# Altium PCB 越野组一体板.PcbDoc (continued)
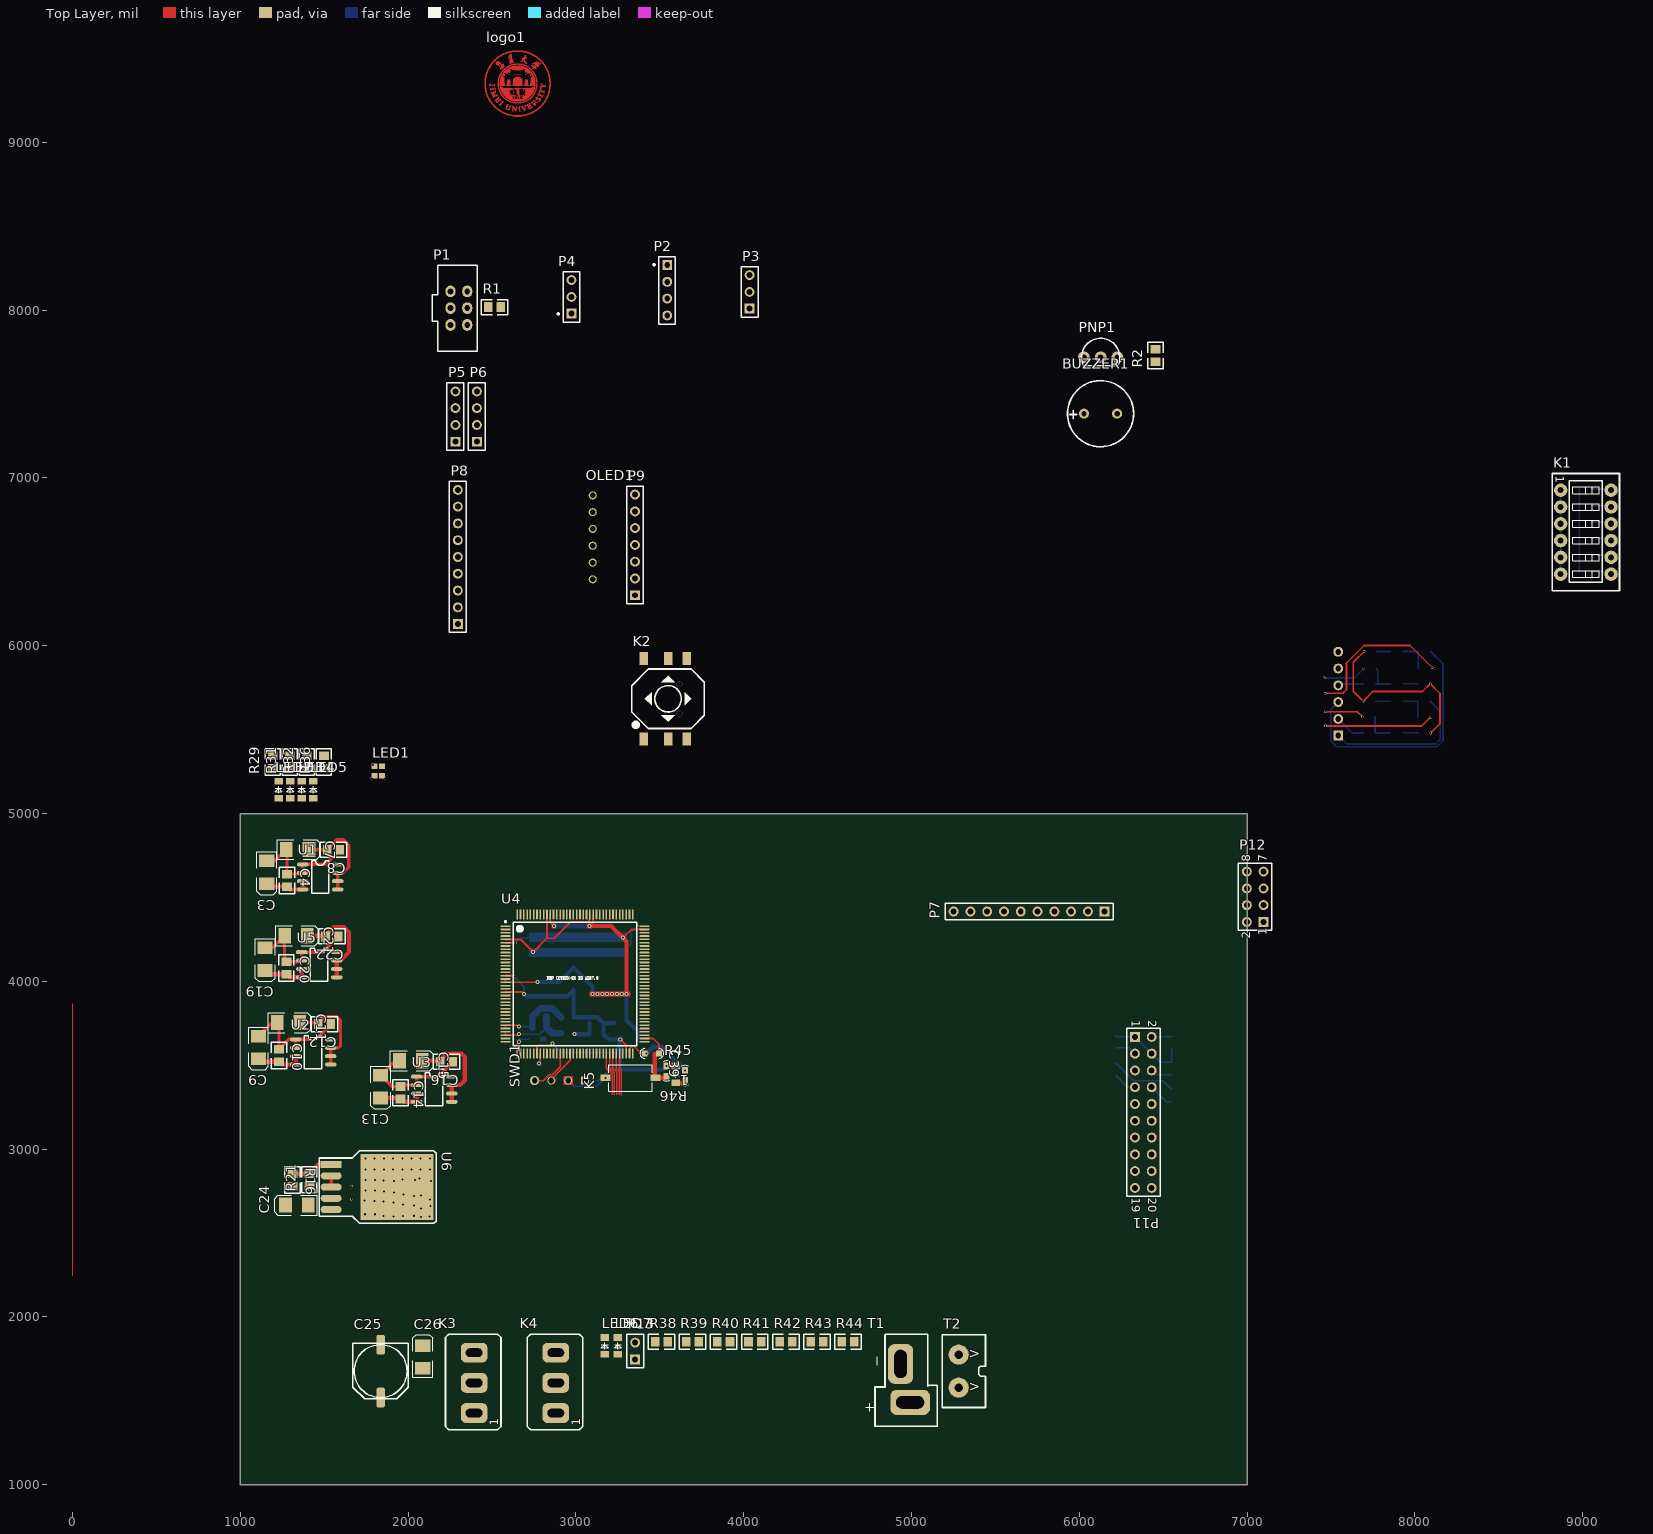
[diagram p0: Top Layer view]
## Footprints (in the part's own frame and the unit in brackets; to place one, negate y for a bottom-side part, rotate by r counter-clockwise, add the part's x,y. Pads: shape width x height; smd on the part's side, far side on the other; paste and mask are expansions set on the pad) (continued)
  Top Layer region: 114.8,-79.9 116.8,-79.9 116.8,-80.9 118.8,-80.9 118.8,-81.9 120.8,-81.9 120.8,-83.9 112.8,-83.9 112.8,-84.9 111.8,-84.9 111.8,-85.9 110.8,-85.9 110.8,-86.9 109.8,-86.9 109.8,-89.9 110.8,-89.9 110.8,-90.9 111.8,-90.9 111.8,-91.9 116.8,-91.9 116.8,-90.9 118.8,-90.9 118.8,-89.9 120.8,-89.9 120.8,-88.9 123.8,-88.9 123.8,-87.9 131.8,-87.9 131.8,-88.9 132.8,-88.9 132.8,-89.9 133.8,-89.9 133.8,-90.9 134.8,-90.9 134.8,-91.9 135.8,-91.9 135.8,-99.9 134.8,-99.9 134.8,-100.9 133.8,-100.9 133.8,-102.9 132.8,-102.9 132.8,-103.9 131.8,-103.9 131.8,-104.9 129.8,-104.9 129.8,-107.9 127.8,-107.9 127.8,-106.9 125.8,-106.9 125.8,-105.9 123.8,-105.9 123.8,-104.9 120.8,-104.9 120.8,-102.9 128.8,-102.9 128.8,-101.9 130.8,-101.9 130.8,-100.9 131.8,-100.9 131.8,-99.9 132.8,-99.9 132.8,-95.9 131.8,-95.9 131.8,-93.9 128.8,-93.9 128.8,-92.9 126.8,-92.9 126.8,-93.9 123.8,-93.9 123.8,-94.9 121.8,-94.9 121.8,-95.9 119.8,-95.9 119.8,-96.9 115.8,-96.9 115.8,-97.9 113.8,-97.9 113.8,-96.9 110.8,-96.9 110.8,-95.9 109.8,-95.9 109.8,-94.9 108.8,-94.9 108.8,-93.9 107.8,-93.9 107.8,-91.9 106.8,-91.9 106.8,-87.9 107.8,-87.9 107.8,-85.9 108.8,-85.9 108.8,-83.9 109.8,-83.9 109.8,-82.9 110.8,-82.9 110.8,-81.9 112.8,-81.9 112.8,-78.9 114.8,-78.9
  Top Layer region: 138.8,-0.9 139.8,-0.9 139.8,-3.9 140.8,-3.9 140.8,-4.9 142.8,-4.9 142.8,-5.9 143.8,-5.9 143.8,-6.9 144.8,-6.9 144.8,-7.9 145.8,-7.9 145.8,-8.9 147.8,-8.9 147.8,-9.9 148.8,-9.9 148.8,-10.9 149.8,-10.9 149.8,-11.9 150.8,-11.9 150.8,-12.9 152.8,-12.9 152.8,-13.9 160.8,-13.9 160.8,-14.9 162.8,-14.9 162.8,-13.9 163.8,-13.9 163.8,-10.9 165.8,-10.9 165.8,-15.9 164.8,-15.9 164.8,-23.9 162.8,-23.9 162.8,-20.9 161.8,-20.9 161.8,-19.9 156.8,-19.9 156.8,-18.9 151.8,-18.9 151.8,-19.9 149.8,-19.9 149.8,-20.9 147.8,-20.9 147.8,-21.9 145.8,-21.9 145.8,-22.9 143.8,-22.9 143.8,-23.9 142.8,-23.9 142.8,-24.9 140.8,-24.9 140.8,-25.9 138.8,-25.9 138.8,-26.9 137.8,-26.9 137.8,-27.9 136.8,-27.9 136.8,-29.9 134.8,-29.9 134.8,-21.9 135.8,-21.9 135.8,-16.9 137.8,-16.9 137.8,-19.9 139.8,-19.9 139.8,-18.9 141.8,-18.9 141.8,-17.9 143.8,-17.9 143.8,-16.9 145.8,-16.9 145.8,-15.9 147.8,-15.9 147.8,-14.9 148.8,-14.9 148.8,-13.9 147.8,-13.9 147.8,-12.9 146.8,-12.9 146.8,-11.9 144.8,-11.9 144.8,-10.9 143.8,-10.9 143.8,-9.9 142.8,-9.9 142.8,-8.9 140.8,-8.9 140.8,-7.9 138.8,-7.9 138.8,-9.9 136.8,-9.9 136.8,-3.9 137.8,-3.9 137.8,0.1 138.8,0.1
  Top Layer region: -65.2,-124.9 -63.2,-124.9 -63.2,-125.9 -60.2,-125.9 -60.2,-126.9 -58.2,-126.9 -58.2,-127.9 -55.2,-127.9 -55.2,-128.9 -54.2,-128.9 -54.2,-130.9 -56.2,-130.9 -56.2,-129.9 -58.2,-129.9 -58.2,-130.9 -59.2,-130.9 -59.2,-132.9 -60.2,-132.9 -60.2,-135.9 -61.2,-135.9 -61.2,-138.9 -62.2,-138.9 -62.2,-140.9 -63.2,-140.9 -63.2,-143.9 -64.2,-143.9 -64.2,-146.9 -65.2,-146.9 -65.2,-151.9 -64.2,-151.9 -64.2,-152.9 -63.2,-152.9 -63.2,-153.9 -62.2,-153.9 -62.2,-154.9 -60.2,-154.9 -60.2,-155.9 -54.2,-155.9 -54.2,-154.9 -53.2,-154.9 -53.2,-153.9 -52.2,-153.9 -52.2,-152.9 -51.2,-152.9 -51.2,-151.9 -50.2,-151.9 -50.2,-149.9 -49.2,-149.9 -49.2,-146.9 -48.2,-146.9 -48.2,-143.9 -47.2,-143.9 -47.2,-141.9 -46.2,-141.9 -46.2,-138.9 -45.2,-138.9 -45.2,-134.9 -46.2,-134.9 -46.2,-133.9 -47.2,-133.9 -47.2,-131.9 -45.2,-131.9 -45.2,-132.9 -42.2,-132.9 -42.2,-133.9 -40.2,-133.9 -40.2,-134.9 -37.2,-134.9 -37.2,-136.9 -41.2,-136.9 -41.2,-137.9 -42.2,-137.9 -42.2,-139.9 -43.2,-139.9 -43.2,-141.9 -44.2,-141.9 -44.2,-144.9 -45.2,-144.9 -45.2,-147.9 -46.2,-147.9 -46.2,-149.9 -47.2,-149.9 -47.2,-151.9 -48.2,-151.9 -48.2,-153.9 -49.2,-153.9 -49.2,-155.9 -51.2,-155.9 -51.2,-156.9 -52.2,-156.9 -52.2,-157.9 -54.2,-157.9 -54.2,-158.9 -60.2,-158.9 -60.2,-157.9 -63.2,-157.9 -63.2,-156.9 -65.2,-156.9 -65.2,-155.9 -67.2,-155.9 -67.2,-154.9 -68.2,-154.9 -68.2,-153.9 -69.2,-153.9 -69.2,-151.9 -70.2,-151.9 -70.2,-144.9 -69.2,-144.9 -69.2,-141.9 -68.2,-141.9 -68.2,-138.9 -67.2,-138.9 -67.2,-136.9 -66.2,-136.9 -66.2,-133.9 -65.2,-133.9 -65.2,-130.9 -64.2,-130.9 -64.2,-126.9 -66.2,-126.9 -66.2,-123.9 -65.2,-123.9
  Top Layer region: 215 vertices and 0 holes, not listed, extent -137.2,-116.9 -100.2,-79.9
  Top Layer region: 177 vertices and 0 holes, not listed, extent 51.8,-154.9 86.8,-118.9
  Top Layer region: -29.2,-136.9 -24.2,-136.9 -24.2,-137.9 -23.2,-137.9 -23.2,-139.9 -22.2,-139.9 -22.2,-141.9 -21.2,-141.9 -21.2,-142.9 -20.2,-142.9 -20.2,-144.9 -19.2,-144.9 -19.2,-145.9 -18.2,-145.9 -18.2,-147.9 -17.2,-147.9 -17.2,-149.9 -16.2,-149.9 -16.2,-150.9 -15.2,-150.9 -15.2,-152.9 -14.2,-152.9 -14.2,-154.9 -13.2,-154.9 -13.2,-155.9 -12.2,-155.9 -12.2,-157.9 -11.2,-157.9 -11.2,-149.9 -10.2,-149.9 -10.2,-140.9 -13.2,-140.9 -13.2,-138.9 -6.2,-138.9 -6.2,-139.9 -2.2,-139.9 -2.2,-140.9 -3.2,-140.9 -3.2,-141.9 -6.2,-141.9 -6.2,-143.9 -7.2,-143.9 -7.2,-149.9 -8.2,-149.9 -8.2,-157.9 -9.2,-157.9 -9.2,-165.9 -10.2,-165.9 -10.2,-167.9 -12.2,-167.9 -12.2,-165.9 -13.2,-165.9 -13.2,-164.9 -14.2,-164.9 -14.2,-162.9 -15.2,-162.9 -15.2,-161.9 -16.2,-161.9 -16.2,-159.9 -17.2,-159.9 -17.2,-157.9 -18.2,-157.9 -18.2,-156.9 -19.2,-156.9 -19.2,-154.9 -20.2,-154.9 -20.2,-153.9 -21.2,-153.9 -21.2,-151.9 -22.2,-151.9 -22.2,-149.9 -23.2,-149.9 -23.2,-147.9 -24.2,-147.9 -24.2,-146.9 -25.2,-146.9 -25.2,-144.9 -26.2,-144.9 -26.2,-148.9 -27.2,-148.9 -27.2,-156.9 -28.2,-156.9 -28.2,-163.9 -25.2,-163.9 -25.2,-165.9 -33.2,-165.9 -33.2,-164.9 -36.2,-164.9 -36.2,-163.9 -35.2,-163.9 -35.2,-162.9 -32.2,-162.9 -32.2,-161.9 -31.2,-161.9 -31.2,-156.9 -30.2,-156.9 -30.2,-148.9 -29.2,-148.9 -29.2,-141.9 -28.2,-141.9 -28.2,-140.9 -29.2,-140.9 -29.2,-138.9 -31.2,-138.9 -31.2,-137.9 -32.2,-137.9 -32.2,-135.9 -29.2,-135.9
  Top Layer region: 139 vertices and 1 holes, not listed, extent 79.8,-134.9 119.8,-100.9
  Top Layer region: 195 vertices and 0 holes, not listed, extent -160.2,-85.9 -119.2,-42.9
  Top Layer region: 155 vertices and 0 holes, not listed, extent 18.8,117.1 55.8,167.1
  Top Layer region: 241 vertices and 4 holes, not listed, extent -52.2,117.1 -25.2,174.1
  Top Layer region: 219 vertices and 1 holes, not listed, extent -130.2,83.1 -83.2,132.1
  Top Layer region: 251 vertices and 0 holes, not listed, extent 83.8,85.1 136.8,124.1
  Top Layer region: 261 vertices and 22 holes, not listed, extent -106.2,-107.9 104.8,-13.9
  Top Layer region: 309 vertices and 19 holes, not listed, extent -107.2,-10.9 105.8,105.1
  Top Layer region: 557 vertices and 1 holes, not listed, extent -119.2,-119.9 117.8,117.1
  Top Layer region: 917 vertices and 1 holes, not listed, extent -197.2,-197.9 195.8,195.1
LED(0805) [mil]
  rect 40x50 smd: 1(-50,0) 2(50,0)
  silkscreen extent -20,-20 20,20, body extent -37,-24 43,25, height 43
LM2941 [mm]
  rect 1.07x3.16 smd: 1(-3.4,-4.982)
  oval 1.07x3.16 smd: 2(-1.7,-4.982) 3(0,-4.982) 4(1.7,-4.982) 5(3.4,-4.982)
  rect 10x11 smd: 3(0,4.982)
  silkscreen extent -5.5,-6.78 5.5,10.92, body extent -5.01,-5.76 4.99,9.91, height 4.78
LQFP144 [mm]
  oval 1.55x0.25 smd: 1(0,0) 2(0,-0.5) 3(0,-1) 4(0,-1.5) 5(0,-2) 6(0,-2.5) 7(0,-3) 8(0,-3.5) 9(0,-4) 10(0,-4.5) 11(0,-5) 12(0,-5.5) 13(0,-6) 14(0,-6.5) 15(0,-7) 16(0,-7.5) 17(0,-8) 18(0,-8.5) 19(0,-9) 20(0,-9.5) 21(0,-10) 22(0,-10.5) 23(0,-11) 24(0,-11.5) 25(0,-12) 26(0,-12.5) 27(0,-13) 28(0,-13.5) 29(0,-14) 30(0,-14.5) 31(0,-15) 32(0,-15.5) 33(0,-16) 34(0,-16.5) 35(0,-17) 36(0,-17.5) 73(21.05,-17.5) 74(21.05,-17) 75(21.05,-16.5) 76(21.05,-16) 77(21.05,-15.5) 78(21.05,-15) 79(21.05,-14.5) 80(21.05,-14) 81(21.05,-13.5) 82(21.05,-13) 83(21.05,-12.5) 84(21.05,-12) 85(21.05,-11.5) 86(21.05,-11) 87(21.05,-10.5) 88(21.05,-10) 89(21.05,-9.5) 90(21.05,-9) 91(21.05,-8.5) 92(21.05,-8) 93(21.05,-7.5) 94(21.05,-7) 95(21.05,-6.5) 96(21.05,-6) 97(21.05,-5.5) 98(21.05,-5) 99(21.05,-4.5) 100(21.05,-4) 101(21.05,-3.5) 102(21.05,-3) 103(21.05,-2.5) 104(21.05,-2) 105(21.05,-1.5) 106(21.05,-1) 107(21.05,-0.5) 108(21.05,0)
  oval 0.25x1.55 smd: 37(1.775,-19.275) 38(2.275,-19.275) 39(2.775,-19.275) 40(3.275,-19.275) 41(3.775,-19.275) 42(4.275,-19.275) 43(4.775,-19.275) 44(5.275,-19.275) 45(5.775,-19.275) 46(6.275,-19.275) 47(6.775,-19.275) 48(7.275,-19.275) 49(7.775,-19.275) 50(8.275,-19.275) 51(8.775,-19.275) 52(9.275,-19.275) 53(9.775,-19.275) 54(10.275,-19.275) 55(10.775,-19.275) 56(11.275,-19.275) 57(11.775,-19.275) 58(12.275,-19.275) 59(12.775,-19.275) 60(13.275,-19.275) 61(13.775,-19.275) 62(14.275,-19.275) 63(14.775,-19.275) 64(15.275,-19.275) 65(15.775,-19.275) 66(16.275,-19.275) 67(16.775,-19.275) 68(17.275,-19.275) 69(17.775,-19.275) 70(18.275,-19.275) 71(18.775,-19.275) 72(19.275,-19.275) 109(19.275,1.775) 110(18.775,1.775) 111(18.275,1.775) 112(17.775,1.775) 113(17.275,1.775) 114(16.775,1.775) 115(16.275,1.775) 116(15.775,1.775) 117(15.275,1.775) 118(14.775,1.775) 119(14.275,1.775) 120(13.775,1.775) 121(13.275,1.775) 122(12.775,1.775) 123(12.275,1.775) 124(11.775,1.775) 125(11.275,1.775) 126(10.775,1.775) 127(10.275,1.775) 128(9.775,1.775) 129(9.275,1.775) 130(8.775,1.775) 131(8.275,1.775) 132(7.775,1.775) 133(7.275,1.775) 134(6.775,1.775) 135(6.275,1.775) 136(5.775,1.775) 137(5.275,1.775) 138(4.775,1.775) 139(4.275,1.775) 140(3.775,1.775) 141(3.275,1.775) 142(2.775,1.775) 143(2.275,1.775) 144(1.775,1.775)
  silkscreen extent -0.12,-18.1 19.87,0.8, body extent -0.55,-19.73 21.46,2.29, height 1.1
PNP [mil]
  round 70 hole 36: 1(-100,0) 2(0,0) 3(100,0)
  silkscreen extent -114,-52 114,114, body extent -114,-60 112,105, height 407
"pol cap(10uF)" [mil]
  rect 75x90 smd: 1(67.5,0) 2(-67.5,0)
  silkscreen extent -121,-59 132,59, body extent -69,-55 69,55, height 75
Rled [mm]
  rect 0.8x0.9 smd: 1(0,0) 2(0,1.143) 3(1.4,1.143) 4(1.4,0)
  body extent -0.18,-0.48 1.57,1.62, height 1.3
S0P4 [mil]
  rect 48x48 hole 33: 1(0,0)
  round 48 hole 33: 2(100.39,0) 3(200.79,0)
  round 55 hole 33: 4(301.18,0)
  body extent -59,-50 360,50, height 331
S0P6 [mil]
  round 48 hole 33: 1(0,0) 2(100,0) 3(200,0) 4(300,0) 5(400,0) 6(500,0)
  body extent -60,-50 560,50, height 331
SOIC-8 [mm]
  oval 1.75x0.6 smd: 1(-2.65,1.905) 2(-2.65,0.635) 3(-2.65,-0.635) 4(-2.65,-1.905) 5(2.65,-1.905) 6(2.65,-0.635) 7(2.65,0.635) 8(2.65,1.905)
  silkscreen extent -1.32,-2.5 1.3,2.49, body extent -3,-2.47 2.99,2.43, height 1.55
SW_PB2_A1 [mil]
  rect 60x40 smd: 1(-150,0) 2(150,0)
  silkscreen extent -130,-79 130,79, body extent -125,-80 125,80, height 47
T型接头 [mm]
  rrect50% 3.8x6 hole 1.9 slot 4.25 at 90 deg: 1(-2.451,-1.275)
  rrect50% 6x3.8 hole 1.9 slot 4.25 at 0 deg: 2(3.376,0.173)
  silkscreen extent -6.07,-5.36 7.87,5.46, body extent -5.35,-4.49 6.65,2.81, height 14.1
XTAL-3225 [mil]
  rect 47.24x59.06 smd: 1(-38.5,51) 2(-39.5,-52) 3(39.5,-52) 4(38.5,52)
  silkscreen extent -50,-65 48,61, body extent -50,-65 48,61, height 31
拨码开关*6 [mil]
  round 80 hole 36: 1(-150,250) 2(-150,150) 3(-150,50) 4(-150,-50) 5(-150,-150) 6(-150,-250) 7(150,-250) 8(150,-150) 9(150,-50) 10(150,50) 11(150,150) 12(150,250)
  silkscreen extent -200,-350 200,350, body extent -197,-317 193,323, height 276
接线端子 [mil]
  round 120 hole 50: 1(-98.43,0) 2(98.43,0)
  silkscreen extent -217,-160 217,98, body extent -197,-219 197,96, height 433
插针——4 [mm]
  rect 1.5x1.5 hole 0.9: 1(8.56,1.118)
  round 1.5 hole 0.9: 2(6.02,1.118) 3(3.48,1.118) 4(0.94,1.118)
  silkscreen extent -0.38,-0.13 9.78,3.26, body extent -0.33,-0.15 9.83,2.39, height 8.54
摇杆开关 [mm]
  rect 2x1.3 smd: 1(-0.131,9.517) 2(-0.131,5.817) 3(-0.131,3.017) 4(12.069,9.517) 5(12.069,5.817) 6(12.069,3.017)
  silkscreen extent 1.47,0.32 10.47,11.32
编码器 [mil]
  oval 60x70 hole 35.43: 1(0,0) 2(100,0) 3(0,-100) 4(100,-100) 5(0,-200) 6(100,-200)
  silkscreen extent -107,-356 159,156
钮子开关（大） [mm]
  rrect50% 3x4 hole 1.3 slot 2.5 at 90 deg: 1(-4.572,0) 2(0,0) 3(4.572,0)
  silkscreen extent -7.11,-4.06 7.37,4.32, body extent -6.22,-6.18 6.48,5.68, height 28.19

## Part data
C4 C10 C14 C18 C20 C23: library part Cap
C25: library part 固态贴片电?, "ED"
C26: library part "pol cap"
C37: library part CA
F1: library part Fuse
K3 K4: library part 钮子开关（大）
K5: library part KE
P3: library part "Header 3", "Header, 3-Pin"
P4: library part 舵机
P5 P6: library part "Header 4", "Header, 4-Pin"
P7: library part "Header 10", "Header, 10-Pin"
P8: library part "Header 9", "Header, 9-Pin"
P9: library part "Header 7", "Header, 7-Pin"
P10: library part "Header 6", "Header, 6-Pin"
P11: library part "Header 10X2", "Header, 10-Pin, Dual row"
P12: "Header, 4-Pin, Dual row"
P13: "Header, 2-Pin"
R1 R2 R3 R4 R5 R6 R7 R8 R9 R10 R11 R12 R13 R14 R15 R16 R17 R18 R19 R20 R21 R22 R23 R24 R25 R26 R27 R28 R29 R30 R31 R32 R33 R34 R35 R36 R37 R38 R39 R40 R41 R42 R43 R44: library part Res
T1: library part 电源接线端
U4: library part K6
U6: library part LM2941

## Via types
v1: diameter 15, hole 12, Top Layer to Bottom Layer, 69 vias
v2: diameter 24, hole 12, Top Layer to Bottom Layer, 24 vias
v3: diameter 35.43, hole 35.43, Top Layer to Bottom Layer, 2 vias

## Nets (pads, with @x,y where several pads share a name; then routed paths per layer and width w, separated by ;. In a path a pad name is that pad's centre, name@x,y a point inside that pad or via, vN(x,y) a via of type N, cw(c..) or ccw(c..) an arc to the next point about the centre after c; other vN are vias at no path point)
5V0: BUZZER1.1 C21.1 C22.2 LED4.1 P1.2 P2.1 P3.3 P6.3 P10.5 R1.2 U5.5 U5.6 U5.7 | length 602.4
  Top Layer w25: C21.1 1503.6,4272 C22.2 1507.6,4274.48 1556.12,4323 1617,4323 1648,4292 1648,4175 1597,4124 U5.7 U5.6 U5.5
6V0: C24.1 LED5.1 P4.2 R16.2 U6.5
7V2: C3.1 C4.2 C9.1 C10.2 C13.1 C14.2 C19.1 C20.2 C23.2 C25.1 C26.1 K3.1 K4.2 P13.1 R40.2 U1.3 U1.4 U2.3 U2.4 U3.3 U3.4 U5.3 U5.4 U6.4 | length 1124.1
  Top Layer w25: C9.1 1125.4,3520.6 C10.2 1246.6,3504 U2.4 U2.3 ; C19.1 1170.5,4042 C20.2 1292,4024 U5.4 U5.3 ; C3.1 1174.9,4564.6 C4.2 1295.6,4547 U1.4 U1.3 ; C13.1 1947.6,3305 C14.2 1970.6,3282 U3.4 U3.3
  other v1: 1662,2702
A0M1: U4.24
A0P1: U4.23
A1M1: U4.26
A1P1: U4.25
AD1: P8.9 U4.92
AD2: P8.8 U4.91
AD3: P8.7 U4.90
AD4: P8.6 U4.89
AD5: P8.5 U4.88
AD6: P8.4 U4.87
AD7: P8.3 U4.86
AD8: R41.1 U4.85
AD_5V: C7.1 C8.2 LED2.1 P8.1 P12.5 P12.7 U1.5 U1.6 U1.7 | length 585
  Top Layer w20: C7.1 1411,4784 C8.2 1517,4786.94 1573.06,4843 1613,4843 1645,4811 1645,4681 1611,4647 U1.7 U1.6 U1.5
ADC0_SE16: U4.36
ADC1_SE16: U4.35
AGND: C3.2 C4.1 C5.2 C6.1 C7.2 C8.1 C9.2 C10.1 C11.2 C12.1 C13.2 C14.1 C15.2 C16.1 C17.2 C19.2 C20.1 C21.2 C22.1 C23.1 C24.2 C27.1 C28.1 C29.1 C30.1 C31.1 C32.1 C33.1 C34.1 C35.1 C36.1 C37.2 C38.2 C39.1 FB2.2 K5.2 OLED1.1 P9.1 P9.3 PNP1.1 R21.1 R43.2 R46.1 R47.1 SWD1.2 U1.1 U1.2 U2.1 U2.2 U3.1 U3.2 U4.6 U4.17 U4.18 U4.44 U4.57 U4.71 U4.93 U4.107 U4.121 U4.134 U5.1 U5.2 U6.2 U6.3 XTAL1.2 Z1.1 Z2.1 | length 5851.3
  Top Layer w8: U4.134 2846.73,4353.27 v2(2870,4330) ; v2(3080,4330) 3102.64,4352.64 U4.121
  Top Layer w10: U4.17 U4.18 2769.41,3994.41 v2(2770,3995) ; U4.6 v1@2639.37,4230.63 ; v2(2780,3510) 2787.68,3517.68 U4.44 ; v2(3280,4260) 3329.37,4309.37 U4.107 ; U4.71 3319.17,3599.17 3335,3615 3345,3615 3390,3570 C39.1
  Top Layer w20: C9.2 1189,3754 C11.2 1230,3744 C10.1 1288.6,3654 U2.1 ; C19.2 1191,4199.5 C21.2 1263.5,4127.3 C20.1 1358.47,4116.8 U5.2 U5.1 1491.34,4174 1582.4,4265.06 C22.1 ; C3.2 1205.5,4717.5 C7.2 1278,4782 C4.1 1364.07,4639.4 U1.2 U1.1 1507.75,4697 1591.8,4781.06 C8.1 ; U2.2 U2.1 ; C12.1 1539.8,3742.06 1451.75,3654 U2.1 ; U6.3@1540.84,2774 U6.2 ; C15.2 1923,3527 C13.2 1902.6,3373.4 C14.1 1962.6,3382 U3.2 U3.1 2180.94,3432 2267,3518.06 C16.1
  Top Layer w25: v2(3080,4330) 3210,4330 v2(3280,4260) 3302,4238 v2(3302,3925)
  Bottom Layer w10: v1(2640,4230) 2670,4260 C28.1 ; SWD1.2 2989,3374 3124,3374 v1(3175,3425)
  Bottom Layer w25: Z2.1 Z1.1 C38.2 2899.13,3996.63 C37.2 3099,3968.5 v2(3099,3925) ; FB2.2 v2(2992.4,3685) C6.1 C5.2 ; v2(3302,3925) 3302,3768 C17.2 3367,3703 XTAL1.2 ; v2(3420,3570) 3460,3610 3510,3610 v2(3650,3470)
  other v1: 2077,2595 1913,2599 2126,2599 1970,2601 1854,2602 2035,2603 1743,2612 1801,2612 2077,2647 2133,2661 2035,2663 1970,2669 1913,2683 1853,2689 1800,2692 1740,2693 2129,2699 2036,2721 2077,2723 1973,2729 1916,2741 1856,2747 1746,2753 1801,2753 1663,2778 2137,2809 1917,2811 1853,2812 1746,2817 1801,2817 2040,2817 1967,2819 2069,2825 1745,2880 1800,2880 1855,2880 1910,2880 1965,2880 2020,2880 2075,2880 2130,2880 1745,2944 1800,2944 1855,2944 1910,2944 1965,2944 2020,2944 2075,2944 2130,2944
  other v2: 3128,3925 3157,3925 3186,3925 3215,3925 3244,3925 3273,3925
BOMA1: K1.12 R3.2 U4.104 | length 117.7
  Bottom Layer w10: R3.2 9161.8,6934 K1.12
BOMA2: K1.11 R4.2 U4.103 | length 118.4
  Bottom Layer w10: R4.2 9160,6835.8 K1.11
BOMA3: K1.10 R5.2 U4.102 | length 119.2
  Bottom Layer w10: R5.2 9158.2,6737.6 K1.10
BOMA4: K1.9 R6.2 U4.101 | length 119.9
  Bottom Layer w10: R6.2 9156.4,6639.4 K1.9
BOMA5: K1.8 R7.2 U4.100 | length 120.7
  Bottom Layer w10: R7.2 9154.6,6541.2 K1.8
BOMA6: K1.7 R8.2 U4.99 | length 121.4
  Bottom Layer w10: R8.2 9152.8,6443 K1.7
BT_RX: P2.3 U4.95
BT_TX: P2.4 U4.96
BUZZER: R2.2
C_SCL: P11.7 R11.2 U4.48 | length 145.3
  Bottom Layer w8: R11.2 6288.2,3369 P11.7
C_SDA: P11.8 R12.1 U4.49 | length 154.7
  Bottom Layer w8: P11.8 6518.35,3282 R12.1
CAM_3V3: C15.1 C16.2 C18.2 LED3.1 P11.2 U3.5 U3.6 U3.7 | length 743.9
  Top Layer w25: C15.1 2186.2,3527 C16.2 2192.2,3534.2 2228,3570 2318,3570 2337,3551 2337,3409 2310,3382 U3.7 U3.6 U3.5
  Bottom Layer w8: P11.2 6543.2,3669 C18.2
DA0: U4.38
DA1: U4.39
DGND: C18.1 K1.1 K1.2 K1.3 K1.4 K1.5 K1.6 K2.6 P1.1 P2.2 P4.3 P5.3 P6.4 P8.2 P10.6 P11.1 P11.4 R9.1 R10.2 R42.2 | length 982.9
  Bottom Layer w8: R9.1 6225.4,3669 P11.1 P11.4 6481.95,3518.4 R10.2 C18.1 ; K1.6 K1.5 K1.4 K1.3 K1.2 K1.1
ENCODER1: P1.3 R1.1 U4.110
ENCODER2: P1.4 U4.109
EXTAL: U4.41
EXTAL0: U4.72 XTAL1.3
GND: C25.2 C26.2 LED6.2 LED7.2 P12.2 P12.4 P12.6 P12.8 P13.2 R19.2 R24.2 R28.2 R29.2 R31.2 R32.2 R35.2 R36.2 R42.1 R43.1 R47.2 T1.2 T2.2 | length 1130.3
  Top Layer w10: v1(7697.2,5966) 7632,5900.8 7632,5729.2 v1(7691.2,5670) 7748.2,5727 8045.4,5727 v1(8091.4,5773) 8149,5715.4 8149,5535.6 v1(8093.4,5480)
HREF: P11.5 U4.46
KEY1: K2.1 U4.64 | length 261.1
  Top Layer w8: U4.64 3181.38,3482.76 3215,3449.14 3215,3323
KEY2: K2.2 U4.65 | length 258.8
  Top Layer w8: U4.65 3201.06,3482.88 3229,3454.94 3229,3323
KEY3: K2.3 U4.66 | length 255.4
  Top Layer w8: U4.66 3220.75,3482.99 3243,3460.74 3243,3324
KEY4: K2.4 U4.67 | length 254.1
  Top Layer w8: U4.67 3240.43,3483.11 3257,3466.54 3257,3323
KEY5: K2.5 U4.68 | length 252.7
  Top Layer w8: U4.68 3260.12,3483.22 3271,3472.34 3271,3322
L_RX: P5.2 P6.1 U4.2
L_SDA: P5.1 P6.2 U4.1
LED_B: R15.1 U4.82
LED_G: R14.1 U4.83
LED_R: R13.1 U4.84
MCU-3V3: 1.1 C5.1 C6.2 C17.1 C28.2 C29.2 C30.2 C31.2 C32.2 C33.2 C34.2 C35.2 C36.2 C37.1 C38.1 F1.1 FB1.2 R45.2 SWD1.1 U4.5 U4.16 U4.21 U4.43 U4.56 U4.70 U4.94 U4.108 U4.122 U4.135 XTAL1.1 XTAL1.4 Z1.2 Z2.2 | length 3606.8
  Top Layer w8: 2767.99,3607.99 cw(c2780,3607.99) 2780,3620 2850,3620 v2(2860,3630) ; 2827.05,4257.05 2872.05,4257.05 2970,4355 3070,4355 3082.95,4367.95 U4.122 ; v2(3264,3653.5) 3299.49,3618.01 U4.70
  Top Layer w10: U4.43 2767.99,3607.99
  Top Layer w12: U4.21 2679.19,3935.35 v2(2690,3924.55) ; U4.16 v1@2626.22,4033.78 ; U4.5 2669.68,4250.31 v2(2745,4175) 2827.05,4257.05 U4.135
  Top Layer w25: v2(3540,3495) 1.1
  Bottom Layer w8: SWD1.1 3134.25,3409 3200.25,3475 3215,3475 ; C36.2 3328,4222 3328,4293 v1(3365,4330)
  Bottom Layer w12: v1(2630,4030) 2690,3970 v2(2690,3924.55) ; v2(2860,3630) 2875,3615 2875,3610 2908.5,3576.5 XTAL1.4
  Bottom Layer w25: v2(2690,3924.55) 2702.92,3911.63 Z2.2 Z1.2 C38.1 2949.13,3911.63 C37.1 2985,3787.4 FB1.2 2988.4,3786 3129,3786 C5.1 ; 3215,3475 3260,3475 ; C17.1 3225,3750 C5.1 ; XTAL1.4 3263,3478 3260,3475 ; v2(3264,3653.5) 3196.5,3653.5 C6.2 C5.1 ; v2(3540,3495) 3520,3475 3260,3475
  Bottom Layer w40: XTAL1.4 3264,3577.5 v2(3264,3653.5)
MCU_3V3: C11.1 C12.2 F1.2 LED1.4 OLED1.2 P5.4 P9.2 P12.1 P12.3 R3.1 R4.1 R5.1 R6.1 R7.1 R8.1 R11.1 R12.2 U2.5 U2.6 U2.7 | length 1480.2
  Top Layer w20: C11.1 1456,3754 C12.2 1465,3747.94 1507.59,3790.53 1572.02,3790.53 1597,3765.55 1597,3617 1584,3604 U2.7 U2.6 U2.5
  Bottom Layer w8: R11.1 6323,3409 6497.8,3409 R12.2
  Bottom Layer w10: R8.1 R7.1 R6.1 R5.1 R4.1 R3.1
Net1_2: 1.2 R46.2 | length 61.2
  Top Layer w25: 1.2 3635,3395 R46.2
NetBUZZER1_2: BUZZER1.2 PNP1.3
NetC27_2: C27.2 U4.37 | length 140.2
  Top Layer w10: U4.37 2649.88,3629.88 v2(2660,3640)
  Bottom Layer w10: v2(2660,3640) 2675,3655 C27.2
NetK3_2: K3.2 R38.2 T2.1
NetK4_1: K4.1 T1.1
NetK4_3: K4.3 R39.2
NetLED1_1: LED1.1 R13.2
  other v1: 1861,5209
NetLED1_2: LED1.2 R14.2
  other v1: 1784,5210
NetLED1_3: LED1.3 R15.2
  other v1: 1791,5289
NetLED2_2: LED2.2 R29.1
NetLED3_2: LED3.2 R31.1
NetLED4_2: LED4.2 R32.1
NetLED5_2: LED5.2 R36.1
NetLED6_1: LED6.1 R40.1
NetLED7_1: LED7.1 R38.1
NetPNP1_2: PNP1.2 R2.1
NetR16_1: R16.1 R21.2 U6.1 | length 252.4
  Top Layer w25: R16.1 1409.4,2853.4 R21.2 1463.86,2907.86 U6.1
NetR17_2: R17.2 R18.1 R20.1 | length 184.4
  Bottom Layer w10: R17.2 R17.2@7779,5772 ; R20.1 7779,5853.8 R17.2@7779,5772 ; R18.1 7855.2,5772 R17.2@7779,5772
NetR18_2: R18.2 R19.1 | length 85.6
  Bottom Layer w10: R18.2 R19.1
NetR22_2: R22.2 R23.1 R25.1 | length 192.4
  Bottom Layer w10: R23.1 8018.2,5966 R22.2 8019.6,5964.6 R25.1
NetR23_2: R23.2 R24.1 | length 81.6
  Bottom Layer w10: R24.1 R23.2
NetR26_2: R26.2 R27.1 R30.1 | length 186
  Bottom Layer w10: R30.1 7762,5482.8 R26.2 7852.2,5480 R27.1
NetR27_2: R27.2 R28.1 | length 91
  Bottom Layer w10: R27.2 8017.6,5481 R28.1
NetR33_2: R33.2 R34.1 R37.1 | length 184.2
  Bottom Layer w10: R34.1 R33.2 8016.6,5669.4 R37.1
NetR34_2: R34.2 R35.1 | length 89.2
  Bottom Layer w10: R35.1 R34.2
NetR39_1: R39.1 R41.2 R44.2
OL_DC: OLED1.6 U4.125
OL_RST: OLED1.5 U4.126
OL_SCL: OLED1.3 U4.128
OL_SDA: OLED1.4 U4.127
P0: P11.16 U4.54 | length 22.1
  Top Layer w8: 2886.8,3423.89 2887.61,3423.08 ; P11.16@6410.4,2969 P11.16
P1: P11.15 U4.55
P2: P11.14 U4.58 | length 20.9
  Top Layer w8: P11.14@6410.4,3069 P11.14
P3: P11.13 U4.59
P4: P11.12 U4.60 | length 20.9
  Top Layer w8: P11.12@6410.4,3169 P11.12
P5: P11.11 U4.61
P6: P11.10 U4.62
P7: P11.9 U4.63
PCLK: P11.6 R10.1 U4.47 | length 129.2
  Bottom Layer w8: P11.6 6456.75,3443.6 R10.1
PGA0_DM: U4.28
PGA0_DP: U4.27
PGA1_DM: U4.30
PGA1_DP: U4.29
PTA1: U4.51
PTA2: U4.52
PTA17: U4.69
PTA19: U4.73
PTA24: U4.75
PTA25: U4.76
PTA26: R37.2 U4.77 | length 645.1
  Top Layer w10: v1(7467,5522) 8041.4,5522 v1(8091.4,5572)
PTA27: R30.2 U4.78 | length 234
  Top Layer w10: v1(7466,5607) 7656.2,5607 v1(7687.2,5576)
PTA28: R25.2 U4.79 | length 901.9
  Top Layer w10: v1(7465,5716) 7569,5716 7592,5739 7592,5897 7696,6001 7971,6001 v1(8102,5870)
PTA29: R20.2 U4.80 | length 258.2
  Bottom Layer w10: v1(7459,5808) 7638,5808 R20.2
  other v1: 7695,5867
PTB0: P4.1 U4.81
PTB18: U4.97
PTB19: U4.98
PTC2: P3.1 U4.105
PTC3: P3.2 U4.106
PTC6: P7.1 U4.111
PTC7: P7.2 U4.112
PTC8: P7.3 U4.113
PTC9: P7.4 U4.114
PTC10: P7.5 U4.115
PTC11: P7.6 U4.116
PTC12: P7.7 U4.117
PTC13: P7.8 U4.118
PTC14: P7.9 U4.119
PTC15: P7.10 U4.120
PTC16: U4.123
PTC17: U4.124
PTD2: U4.129
PTD3: P9.7 U4.130
PTD4: P9.6 U4.131
PTD5: P9.5 U4.132
PTD6: P9.4 U4.133
PTD7: U4.136
PTD8: U4.137
PTD9: U4.138
PTD10: U4.139
PTD11: U4.140
PTD12: U4.141
PTD13: U4.142
PTD14: U4.143
PTD15: U4.144
PTE2: U4.3
PTE3: U4.4
PTE4: U4.7
PTE5: U4.8
PTE6: U4.9
PTE7: U4.10
PTE8: U4.11
PTE9: U4.12
PTE10: U4.13
PTE11: U4.14
PTE12: U4.15
PTE24: P11.3 R9.2 U4.45 | length 129.7
  Bottom Layer w8: R9.2 6296.75,3603.6 P11.3
RC_1: P10.4 R17.1 | length 153.9
  Bottom Layer w10: P10.4 7551,5772 R17.1
RC_2: P10.3 R22.1 | length 1507.7
  Bottom Layer w10: P10.3 7498,5619 7498,5434.39 7534.39,5398 8129.63,5398 8167,5435.37 8167,5892 R22.1
RC_3: P10.2 R26.1 | length 181.8
  Bottom Layer w10: P10.2 7627,5480 R26.1
RC_4: P10.1 R33.1 | length 893.2
  Bottom Layer w10: P10.1 7593,5414 8123,5414 8151,5442 8151,5609.8 R33.1
RESET_B: C39.2 K5.1 R45.1 U4.74 | length 371.9
  Top Layer w10: U4.74 3460.24,3659.76 3495,3625 C39.2
  Top Layer w25: 3470,3570 3470,3430 K5.1 3530,3425 R45.1
SWD_CLK: SWD1.4 U4.50 | length 266.4
  Top Layer w8: SWD1.4 2805.52,3409 2839.52,3443 2859,3443 2905.79,3489.79 U4.50
SWD_DIO: SWD1.3 U4.53 | length 207.3
  Top Layer w8: SWD1.3 2853.61,3417.81 2964.84,3529.04 U4.53
VDDA: C1.2 C2.2 FB1.1 U4.31 U4.32 | length 454.3
  Top Layer w6: U4.32 U4.31
  Top Layer w10: U4.31 2651.5,3738.5
  Bottom Layer w10: v2(2660,3730) 2735,3730 C1.2
  Bottom Layer w40: C1.2 C2.2 2790,3840 2857.6,3840 FB1.1
VREFL: C1.1 C2.1 FB2.1 U4.33 U4.34 | length 442.8
  Top Layer w8: U4.34 U4.33
  Top Layer w10: U4.34 v2@2654.45,3679.45
  Bottom Layer w10: v2(2660,3685) 2785,3685 C1.1
  Bottom Layer w40: C2.1 C1.1 2860,3690 FB2.1
XTAL: U4.40
pads on no net: K3.3 P1.5 P1.6 P11.17 P11.18 P11.19 P11.20 R44.1 U1.8 U2.8 U3.8 U4.19 U4.20 U4.22 U4.42 U5.8
copper on no net: | length 1620
  Top Layer w6: 0,2245 0,3865
  other v3: 3617.9,5597.23 3617.9,5770.46

## Other copper
Top Layer:
  rectangle net AGND: 2925,3382 2983,3435
  rectangle net AGND: 3080,3910 3325,3940
  rectangle net AGND: 2855,4315 2885,4345
  rectangle net AGND: 3065,4315 3095,4345
Bottom Layer:
  rectangle net AGND: 2924,3382 2983,3435
  rectangle net AGND: 3080,3910 3325,3940
  rectangle net AGND: 2785,3640 2825,3670
  rectangle net AGND: 2765,3495 2795,3525
  region net AGND: 3305,4290 2720,4290 2720,4235 3305,4235
  region net MCU-3V3: 3305,4200 2720,4200 2720,4145 3305,4145
  rectangle net AGND: 2855,4315 3095,4345

## Text inside footprints (layer, text, board x,y; h text height)
K1: Top Overlay "1" at 8838.8,7012 h50 r270
K3: Top Overlay "1" at 2537.91,1352 h50 r90
K4: Top Overlay "1" at 3024.84,1352 h50 r90
P11: Top Overlay "2" at 6411.35,3769 h50 r270; Top Overlay "1" at 6311.35,3769 h50 r270; Top Overlay "19" at 6311.35,2709 h50 r270; Top Overlay "20" at 6411.35,2709 h50 r270
P12: Top Overlay "8" at 7018,4714 h50 r90; Top Overlay "7" at 7118,4714 h50 r90; Top Overlay "1" at 7118,4274 h50 r90; Top Overlay "2" at 7018,4254 h50 r90
T2: Top Overlay "V" at 5399.13,1755.74 h50 r90; Top Overlay "V" at 5399.13,1558.89 h50 r90